# KiCad board PCBA-EN16.kicad_pcb (continued)
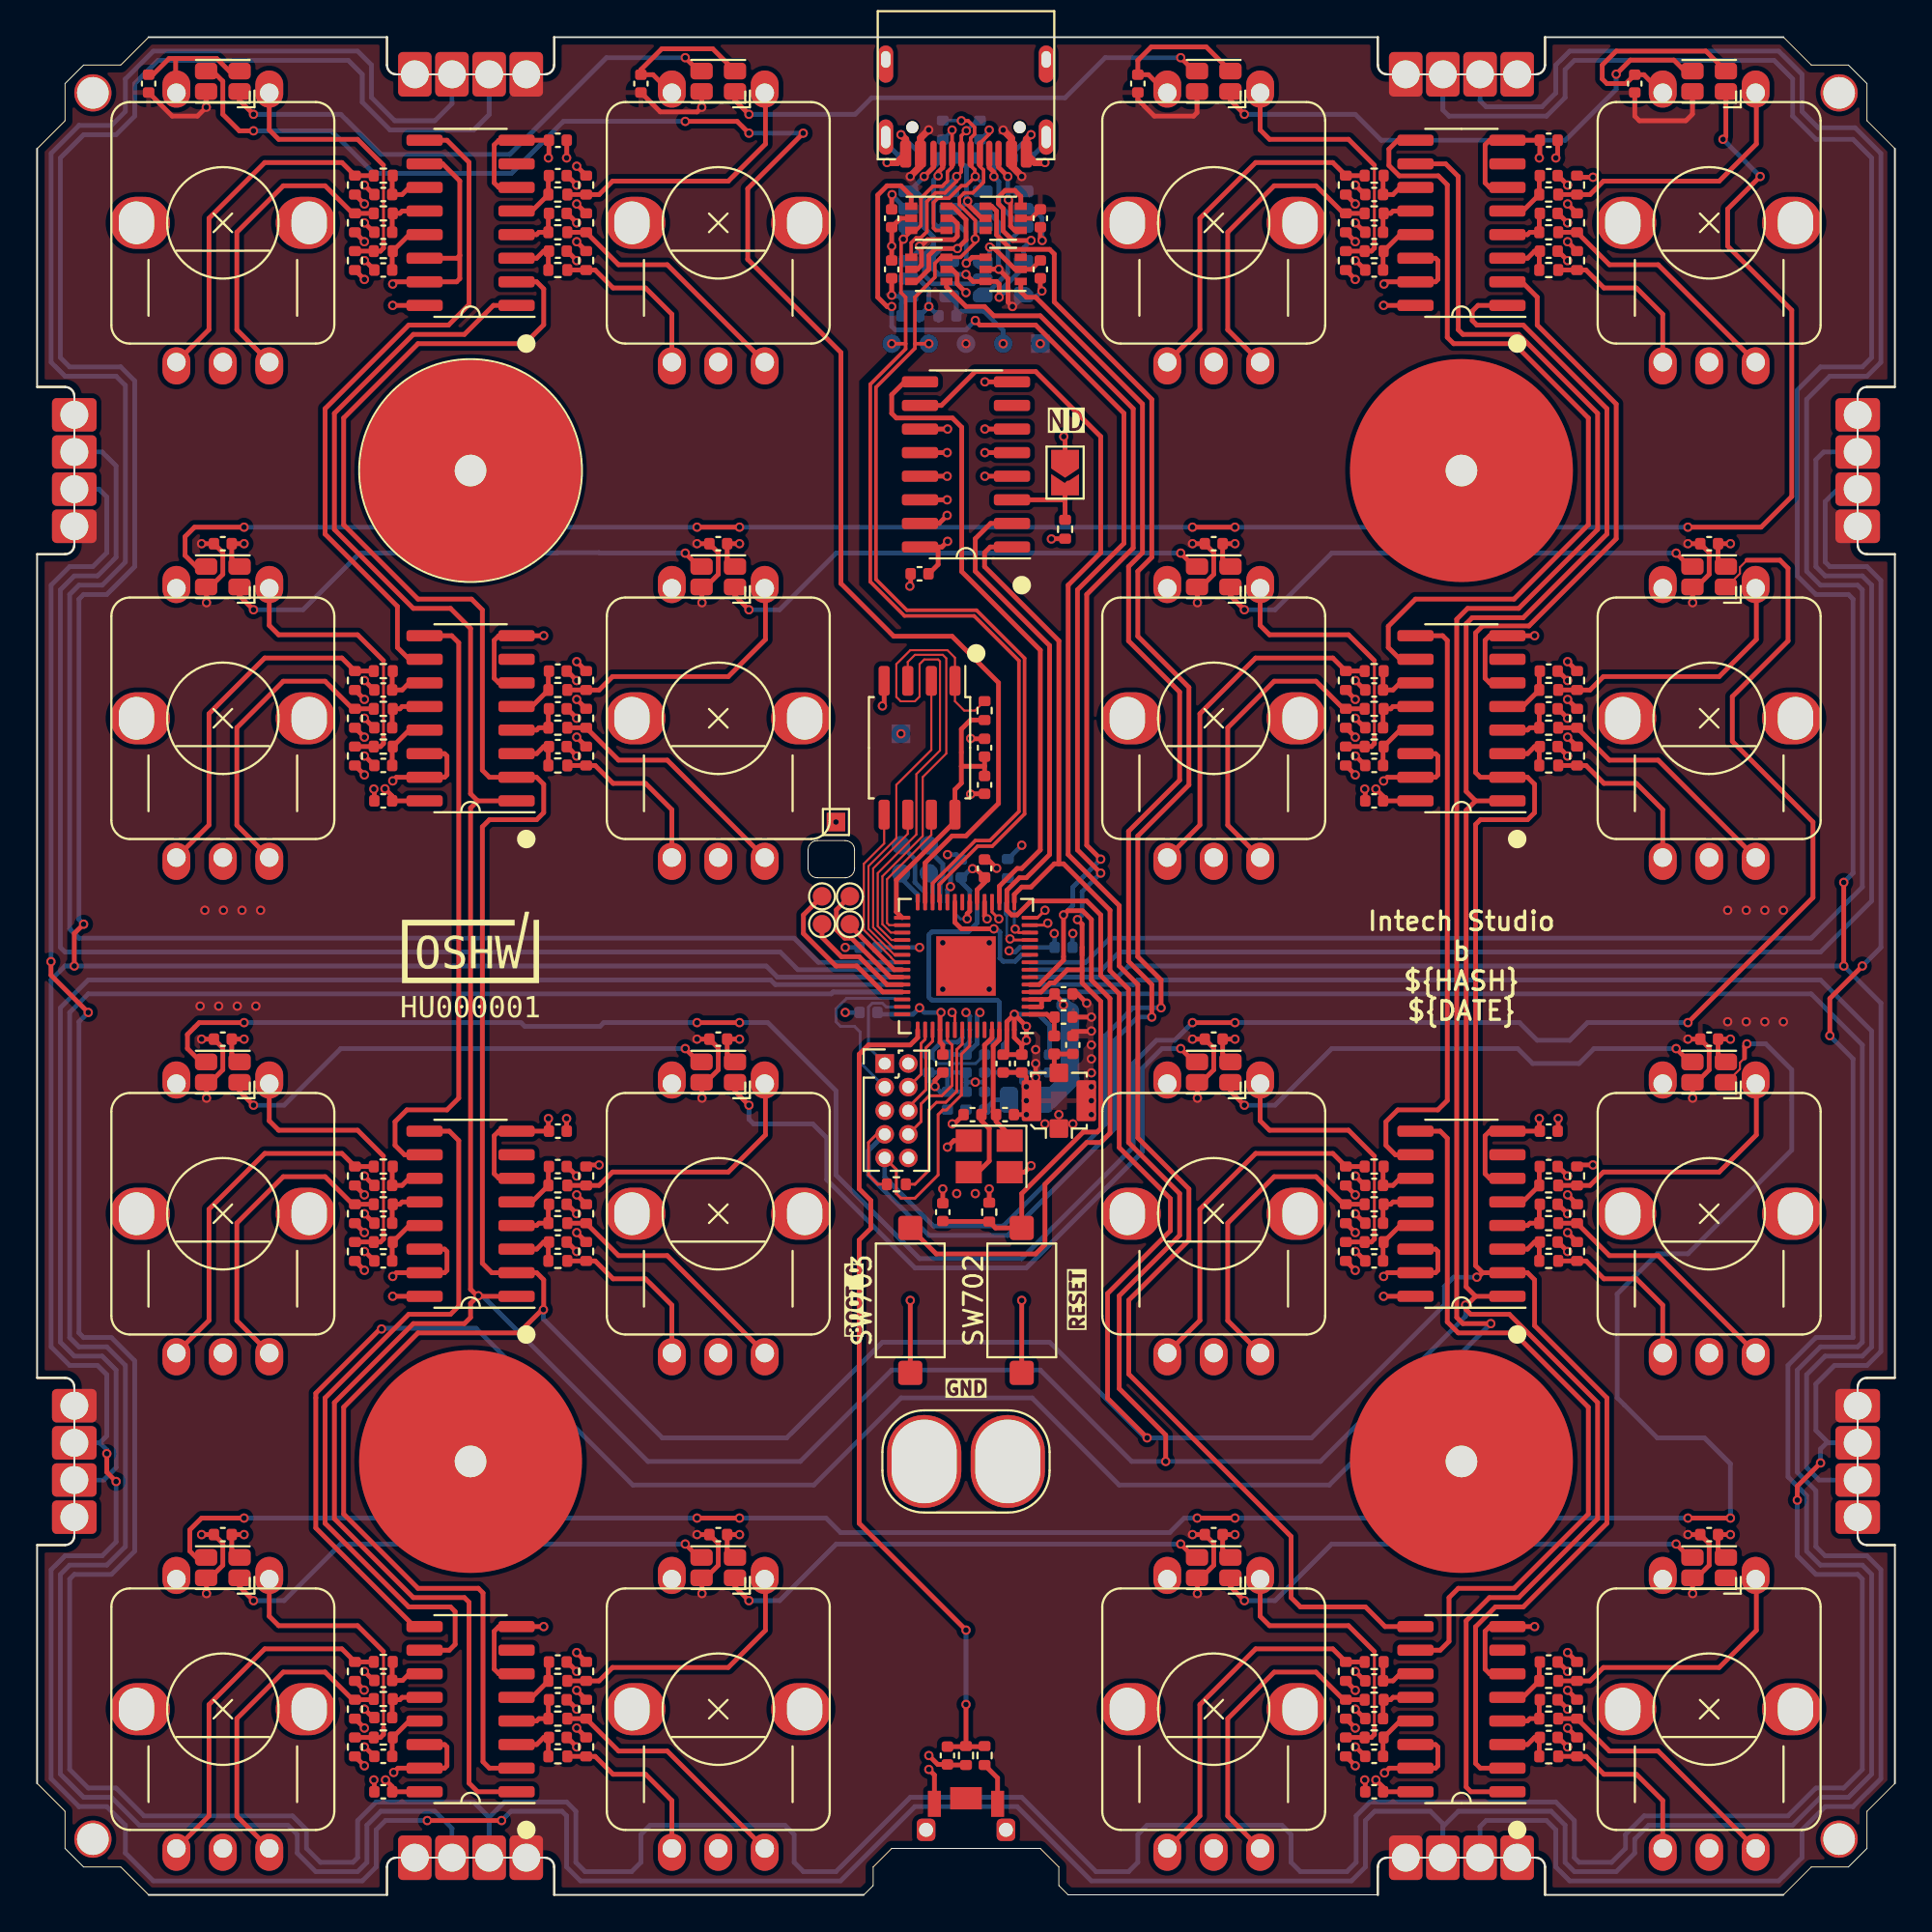
[diagram p0: board, top side]
## Routing (per net, layer and track width the routed paths; a pad name or vN(x,y) marks a point on that pad's centre or on a via; arc(x,y) is an arc through that point) (continued)
/MCU/GRID_NORTH_TX: length 119.9
  Bottom w0.254: J502.2 77.67,96.58 78,96.25 81,96.25 81.75,97 81.75,98.5 82.5,99.25 93.75,99.25 95,98 95,96 95.88,95.12 97.86,95.12 99.25,93.74 99.25,82.5 98.5,81.75 96.5,81.75 95.25,80.5 95.25,71.25 96,70.5 98,70.5 98.25,70.25 98.25,54.25 95.5,51.5 57.75,51.5 56.45,50.2 U703.35
/MCU/GRID_SOUTH_RX: length 120.4
  Bottom w0.254: U703.39 58.15,48.6 58.25,48.5 95.5,48.5 98.25,45.75 98.25,29.75 98,29.5 96,29.5 94.75,28.25 94.75,22.75 95.75,21.75 95.75,18.75 96.25,18.25 98.5,18.25 99.25,17.5 99.25,6.25 97.75,4.75 96.25,4.75 95,3.5 95,2 93.75,0.75 82.5,0.75 81.75,1.5 81.75,3.5 81.25,4 78,4 77.67,3.67 J508.3
/MCU/GRID_SOUTH_TX: length 123
  Bottom w0.254: 42.85,48.6 U703.4 42.85,48.6 ; 42.85,48.6 42.75,48.5 2.75,48.5 1.75,47.5 1.75,30 2.25,29.5 3.75,29.5 4.75,28.5 4.75,18.75 3.75,17.75 1.75,17.75 1.25,17.25 1.25,6.5 2.5,5.25 4,5.25 5.5,3.75 13.5,3.75 14,3.25 14,2.25 15,1.25 17.25,1.25 17.75,1.75 17.75,3.75 18.5,4.5 21.41,4.5 22.33,3.58 J507.2
/MCU/GRID_SYNC_1: length 380.4
  Top w0.254: v1(2.75,47.5) 0.74,49.51 v1(0.74,50.24) ; v1(96,23.25) 94.75,22 v1(94.75,21.25) ; v1(97.25,54.5) v1(97.25,50)
  Bottom w0.254: v1(0.74,50.24) 0.75,50.24 0.75,70.5 1.75,71.5 3,71.5 3.75,72.25 3.75,75.25 3.33,75.67 J504.3 ; 96.42,24.33 96.33,24.33 96,24 v1(96,23.25) ; 96.42,24.33 95.75,25 95.75,27.5 96.75,28.5 98.5,28.5 99.25,29.25 99.25,48 v1(97.25,50) 58.75,50 58.15,49.4 U703.37 ; 96.42,24.33 J505.3 ; 24.33,4.17 23.5,5 18.25,5 17.25,4 17.25,2 17,1.75 15.25,1.75 14.5,2.5 14.5,3.5 13.75,4.25 5.75,4.25 4.25,5.75 2.75,5.75 1.75,6.75 1.75,17 2,17.25 4,17.25 5.25,18.5 5.25,28.75 4,30 2.5,30 2.25,30.25 2.25,47 v1(2.75,47.5) ; 24.33,4.17 J507.3 ; 24.33,4.17 25.16,5 28.5,5 29,4.5 29,1.75 29.5,1.25 32,1.25 32.5,1.75 32.5,3.25 33,3.75 40.25,3.75 40.75,3.25 40.75,1.75 41.25,1.25 43,1.25 47,5.25 53,5.25 57,1.25 58.75,1.25 59.25,1.75 59.25,3.25 59.75,3.75 67,3.75 67.5,3.25 67.5,1.75 68,1.25 70.5,1.25 71,1.75 71,4.25 71.75,5 81.75,5 82.75,4 82.75,2 83,1.75 84.75,1.75 85.5,2.5 85.5,3.25 86.5,4.25 94.25,4.25 95.75,5.75 97.25,5.75 98.25,6.75 98.25,17 98,17.25 95.75,17.25 94.75,18.25 v1(94.75,21.25) ; J502.3 75.67,96.08 76,95.75 81.25,95.75 82.25,96.75 82.25,98.25 82.75,98.75 93.5,98.75 94.5,97.75 94.5,95.75 95.75,94.5 97.75,94.5 98.75,93.5 98.75,82.75 98.25,82.25 96,82.25 94.75,81 94.75,71 95.75,70 97.5,70 97.75,69.75 97.75,55 v1(97.25,54.5)
/MCU/GRID_SYNC_2: length 379.3
  Top w0.254: v1(2,50) 2,51.75 v1(2.5,52.25) ; v1(25,4) v1(21,4) ; v1(4.25,22.25) 3.75,22.75 v1(3.75,23.75) ; v1(96.5,46.25) 96.5,48.25 v1(98.25,50)
  Bottom w0.254: v1(2.5,52.25) 2.25,52.5 2.25,69.75 2.5,70 3.75,70 5.25,71.5 5.25,81.5 4.5,82.25 1.75,82.25 1.25,82.75 1.25,93.5 2.5,94.75 4.25,94.75 5.25,95.75 5.25,97.5 6.5,98.75 16.75,98.75 17.5,98 17.5,96.5 19,95 23.5,95 24.33,95.83 J501.2 ; 3.37,24.33 3.75,24.71 3.75,28 3.25,28.5 1.75,28.5 0.75,29.5 0.75,49.25 1.5,50 v1(2,50) 39.25,50 39.85,49.4 U703.6 ; 3.37,24.33 3.75,23.95 v1(3.75,23.75) ; 3.37,24.33 J506.2 ; J503.2 96.92,75.67 96.25,75 96.25,71.75 96.5,71.5 98.5,71.5 99.25,70.75 99.25,51 v1(98.25,50) ; v1(96.5,46.25) 97.75,45 97.75,30 95.75,30 94.25,28.5 94.25,22.5 95.25,21.5 95.25,18.5 96,17.75 98.25,17.75 98.75,17.25 98.75,6.5 97.5,5.25 96,5.25 94.5,3.75 86.75,3.75 86,3 86,2.25 85,1.25 82.75,1.25 82.25,1.75 82.25,3.75 81.5,4.5 76.5,4.5 75.67,3.67 J508.2 75.67,3.83 75,4.5 72,4.5 71.5,4 71.5,1.5 70.75,0.75 56.75,0.75 52.75,4.75 47.25,4.75 43.25,0.75 29.25,0.75 28.5,1.5 28.5,4.25 28.25,4.5 25.5,4.5 v1(25,4) ; v1(21,4) 18.75,4 18.25,3.5 18.25,1.5 17.5,0.75 6.25,0.75 4.75,2.25 4.75,3.75 3.75,4.75 2.25,4.75 0.75,6.25 0.75,17.5 1.5,18.25 3.5,18.25 4.25,19 v1(4.25,22.25)
/MCU/GRID_WEST_RX: length 75.4
  Bottom w0.254: U703.5 39.74,49 39.49,49.25 2.75,49.25 1.25,47.75 1.25,29.75 2,29 3.5,29 4.25,28.25 4.25,23 3.58,22.33 J506.3
/MCU/GRID_WEST_TX: length 76.3
  Bottom w0.254: U703.7 40.95,49.8 40,50.75 1.5,50.75 1.25,51 1.25,70.25 2,71 3.25,71 4.25,72 4.25,76.92 3.5,77.67 J504.2
/MCU/LED_DATA_OUT: length 89
  Top w0.254: v1(41.24,94.83) 38.25,91.84 38.25,88.04 43.27,83.02 43.27,70.59 46.11,67.75 49.25,67.75 51.75,65.25 51.75,58.75 50,57 49.25,57 47.8,55.55 U704.27 ; v1(38.32,94.83) 37.68,95.47 v1(34.89,95.47) ; v1(11.65,94.96) 10.88,94.96 9.99,95.85 9.99,97.62 9.45,98.17 D901.3
  Bottom w0.254: v1(11.65,94.96) 15.84,94.96 18.12,92.67 25.53,92.67 28.33,95.47 v1(34.89,95.47) ; v1(38.32,94.83) v1(41.24,94.83)
/MCU/MAP_MODE: length 46.1
  Top w0.254: C757.1 50.97,7.98 R736.2 ; R701.2 v1(50,10.25) ; v1(50,14.25) 44.25,20 44.25,35.25 44.88,35.88 44.88,37.38 44.25,38 44.25,45.25 44.75,45.75 47,45.75 47.4,46.15 U704.43
  Bottom w0.254: v1(50,10.25) v1(50,14.25)
/MCU/RP_CLK: length 2.3
  Top w0.254: U704.21 50.2,52.95 50.06,52.81 v1(50.06,52.54)
  Bottom w0.152: U703.20 49.4,52.83 49.69,52.54 v1(50.06,52.54)
/MCU/RP_INTERRUPT: length 7
  Top w0.254: U704.23 49.4,52.35 49.75,52 v1(51.5,52)
  Bottom w0.254: U703.34 53,50.6 52.65,50.25 52,50.25 51.83,50.42 51.83,51.83 51.65,52 v1(51.5,52)
/MCU/RP_RUN: length 1.5
  Bottom w0.254: U703.26 51.8,54.29 R729.2
/MCU/RP_SPI0_CS: length 2.3
  Top w0.152: U704.12 52.84,51.8 v1(52.65,51.99)
  Bottom w0.152: v1(52.65,51.99) 52.6,52.04 U703.28
/MCU/RP_SPI0_RX: length 3.2
  Top w0.152: v1(52.37,51.46) 52.43,51.4 U704.11
  Bottom w0.152: U703.27 52.12,53.35 52.12,52.79 52.19,52.71 52.19,51.63 v1(52.37,51.46)
/MCU/RP_SPI0_SCK: length 2
  Top w0.152: v1(54.25,53) 53.85,52.6 U704.14
  Bottom w0.152: U704.14 53.85,52.6 v1(54.25,53)
/MCU/RP_SPI0_TX: length 2
  Top w0.152: U704.13 54.29,52.2 v1(54.4,52.31)
  Bottom w0.152: v1(54.4,52.31) 54.29,52.2 U704.13
/MCU/RP_SWCLK: length 1.9
  Top w0.254: U704.19 51,52.67 v1(51.14,52.54)
  Bottom w0.254: U704.19 51,52.67 v1(51.14,52.54)
/MCU/RP_SWDIO: length 1.7
  Top w0.152: v1(51.77,52.54) 51.4,52.9 51.4,53.07
  Bottom w0.152: U704.18 51.4,52.9 v1(51.77,52.54)
/MCU/RP_UART0_RX: length 9.6
  Bottom w0.152: J702.3 44.3,44.8 44.3,46.45 44,46.75 43.25,46.75 43,47 43,47.69 43.57,48.26 46.13,48.26 46.19,48.2 U703.3
/MCU/RP_UART0_TX: length 5.4
  Bottom w0.152: J702.1 44.75,45.62 44.75,47.79 44.95,48 45.51,48 45.7,47.8 U703.2
/MCU/SPICLK: length 8.9
  Top w0.11: U704.33 46.08,51 45,52.08 45,55.25 46.86,57.11 U705.6
/MCU/SPICS0: length 31.5
  Top w0.11: U704.32 45.99,51.4 45.25,52.14 45.25,55 47.33,57.08 47.33,60.33 48.6,61.6 48.6,66.4 48.5,66.5 47.75,66.5 47.5,66.25 47.5,64.5 47.25,64.25 46.48,64.25 46.25,64.48 46.25,66.25 47,67 49,67 49.41,66.59 U705.1 49.41,64.25 49.91,63.75 50.49,63.75 R734.2
/MCU/SPID: length 9.5
  Top w0.11: U704.35 46.22,50.2 45.96,50.46 45.96,50.48 44.5,51.94 44.5,55.5 45.59,56.59 U705.5
/MCU/SPIHD: length 7.7
  Top w0.11: U705.7 48.14,57.06 45.75,54.67 45.75,52.31 45.86,52.2 U704.30
/MCU/SPIQ: length 17.2
  Top w0.11: 48.22,65.35 48.14,65.27 48.14,61.64 46.25,59.75 46.25,56.88 44.75,55.38 44.75,52 46.15,50.6 U704.34
/MCU/SPIWP: length 20.3
  Top w0.11: U704.31 45.95,51.8 45.5,52.25 45.5,54.83 47.67,57 47.67,60.17 48.94,61.44 48.94,66.56 48.75,66.75 47.25,66.75 46.86,66.36 U705.3
/MCU/TCK: length 3.5
  Top w0.152: J702.4 47.58,44.17 47.58,45.83 47.8,46.05 U704.44
/MCU/TDI: length 7.1
  Top w0.152: U704.47 49,46 49.25,45.75 49.25,43.56 48.7,43.01 48.01,43.01 47.58,42.58 47.58,41.63 J702.8
/MCU/TDO: length 4.9
  Top w0.152: J702.6 46.89,42.39 47.84,43.34 47.84,45.59 48.2,45.95 U704.45
/MCU/TMS: length 5.2
  Top w0.152: v1(49.25,47.5) 49.4,47.35 U704.48
  In2.Cu w0.152: J702.2 47.75,44.75 49.25,46.25 v1(49.25,47.5)
/MCU/U0RXD: length 89.7
  Top w0.152: J702.9 46.25,39.05 46.25,37.75 46.5,37.5 47.25,37.5 48.5,38.75 48.5,42 48.75,42.25 48.95,42.25 49.75,43.06 49.75,45.25 50.2,45.7 U704.50
  Top w0.254: U606.1 51.38,90.9 51.65,90.63 51.65,89.35 52.42,88.58 54.5,88.58 54.75,88.33 54.75,85.75 60,80.5 60,72 59.25,71.25 59.25,67.75 62,65 62,59.75 59.25,57 59.25,50.5 60.5,49.25 v1(60.5,47.75)
  Bottom w0.254: J702.9 45.62,38.62 48.25,36 52,36 57.5,41.5 57.5,46.25 59,47.75 v1(60.5,47.75)
/MCU/U0TXD: length 76.6
  Top w0.152: J702.7 45.19,40.94 44.75,40.5 44.75,38.75 45.25,38.25 R501.1 ; 52.83,86.85 U605.1
  Top w0.254: U605.1 52.95,86.3 53.25,86 53.75,86 59.5,80.25 59.5,72.25 58.75,71.5 58.75,67.5 61.5,64.75 61.5,60 58.75,57.25 58.75,50.25 60,49 v1(60,47.25)
  Bottom w0.254: J702.7 44.75,40.06 44.75,38.75 48,35.5 52.25,35.5 58,41.25 58,46 59.25,47.25 v1(60,47.25)
/MCU/USB_DN: length 56.1
  Top w0.192: U704.25 48.55,53.48 48.55,54.38 50.62,56.45 51.41,56.45 53.15,58.19 53.15,66.56 50.56,69.15 46.81,69.15 45.15,70.81 45.15,81.15 47.25,83.25 47.25,83.5 ; 47.25,83.5 v1(48,83.5) ; 47.25,83.5 47.25,86 48.32,87.07 48.32,87.82 48.65,88.15 U607.3 49.7,88.15 50.5,88.95 50.5,90.13 49.64,90.99 49.64,91.36 49.91,91.62 50.37,91.62 50.95,92.2 50.95,92.84 50.75,93.04 J601.B7 50.75,94.28 51.25,94.78 v1(51.25,95)
  Bottom w0.192: v1(51.25,95) 51.25,94.99 R604.1 ; v1(50.49,89.14) 50.49,89.48 50.81,89.8 U602.4
/MCU/USB_DP: length 54.2
  Top w0.192: 46.75,83.5 46.75,83.22 44.85,81.31 44.85,70.69 46.69,68.85 50.44,68.85 52.85,66.44 52.85,58.31 51.28,56.75 50.5,56.75 48.2,54.45 U704.26 ; 46.75,83.5 v1(46,83.5) ; 46.75,83.5 46.75,86 46.5,86.25 46.5,86.73 46.51,86.74 46.51,89.01 v1(46.62,89.12) 47.05,89.55 U608.3 47.32,89.6 47.57,89.85 47.57,91.33 48.21,91.97 48.72,91.97 49,92.25 49,92.75 49.25,93 J601.B6 v1(49.25,95)
  Bottom w0.192: v1(46.62,89.12) 46.62,89.53 U603.4 ; v1(49.25,95) 49.25,94.99 R605.1
/MCU/USB_POWER/A6: length 10.6
  Top w0.192: v1(49.75,95.5) 50.11,95.5 50.46,95.15 50.46,94.78 50.25,94.56 J601.A6 50.25,93.08 50.48,92.85 50.48,92.52 v1(50.5,92.5) 50,92 49.75,92 49.08,91.33 48.48,91.33 48.25,91.1 48.25,89.72 48.37,89.6 U608.4
  Bottom w0.192: R605.2 49.74,95.51 v1(49.75,95.5) ; v1(50.5,92.5) 50.9,92.1 U602.6
/MCU/USB_POWER/A7: length 10.4
  Top w0.192: v1(50.02,94.96) 49.75,94.7 J601.A7 49.75,92.75 v1(49.5,92.5) 49.5,92.25 48.87,91.62 48.36,91.62 47.89,91.15 47.89,89.53 47.56,89.2 47.32,89.2 47.05,88.93 U607.4
  Bottom w0.192: R604.2 50.56,95.51 v1(50.02,94.96)
  Bottom w0.254: v1(49.5,92.5) 49.1,92.1 U603.1
/MCU/USB_POWER/CC1: length 10.5
  Top w0.254: v1(51.5,92.5) 51.5,92.73 51.25,92.98 J601.A5
  Bottom w0.254: U604.1 50.98,86.05 52.25,87.32 52.25,88.95 U602.3 52.96,89.8 51.77,90.99 51.77,92.23 v1(51.5,92.5) 51.51,92.51 R602.1
/MCU/USB_POWER/CC2: length 12.9
  Top w0.254: J601.B5 48.25,93 v1(47.75,92.5)
  Bottom w0.254: R603.1 48.49,93.24 v1(47.75,92.5) 46.95,91.7 U603.6 47.3,91.7 47.75,91.25 47.75,89.75 48.25,89.25 48.25,88.8 47.75,88.3 47.75,87.18 48.2,86.73 50.39,86.73 50.66,87 U604.2
/MCU/USB_POWER/DEBUG: length 23.1
  Top w0.254: U607.6 47.35,86.85 48,87.5 48,88.25 48.37,88.62 v1(49.54,88.62) 50,89.08 50,90.18 49.28,90.9 U608.6 ; U606.6 52.95,91.43 52.63,91.75 52.11,91.75 51.75,91.39 51.75,91.03 52,90.78 52,89.57 52.52,89.05 v1(53.5,89.05) ; v1(51.78,86) 51.78,86.72 51.65,86.85 U605.6 50.38,86.85 v1(50,87.23)
  Bottom w0.152: 53,88.05 U604.4
  Bottom w0.254: v1(53.5,89.05) 53.1,88.65 U604.4 53.1,87.6 52,86.5 52,86.22 v1(51.78,86) ; v1(49.54,88.62) 48.66,88.62 48.25,88.21 48.25,87.5 48.52,87.23 v1(50,87.23)
/MCU/USB_POWER/SBU1: length 8.7
  Top w0.254: U605.4 50.33,88.15 v1(50.02,87.83) ; v1(48.5,92.54) 48.5,92.73 48.75,92.98 J601.A8
  Bottom w0.254: v1(50.02,87.83) 50.02,88.42 50.02,88.42 50.02,89.48 49.7,89.8 U603.3 48.45,89.8 48.25,90 48.25,92.29 v1(48.5,92.54)
/MCU/USB_POWER/SBU2: length 6.1
  Top w0.254: v1(52.28,91.25) 52.4,91.13 52.4,89.82 52.62,89.6 U606.4 ; J601.B8 51.75,93 v1(52.25,92.5)
  Bottom w0.254: v1(52.25,92.5) 52.25,91.28 v1(52.28,91.25) 52.28,91.68 52.3,91.7 U602.1
/UI_ENC/CLOCK: length 344.6
  Top w0.254: U1004.2 24.35,6.82 24,7.17 24,16.25 23.75,16.5 20.5,16.5 16.5,20.5 16.5,26.25 20.5,30.25 25.93,30.25 27.27,31.58 27.27,33.11 26.89,33.49 U1003.2 24.47,33.49 23.97,34 23.97,57.49 24.35,57.87 26.89,57.87 27.27,58.25 27.27,59.78 26.89,60.16 U1002.2 24.35,60.16 23.97,60.54 23.97,69.17 23.38,69.75 20.5,69.75 16.5,73.75 16.5,79.5 20.5,83.5 26.25,83.5 27.27,84.52 27.27,86.45 26.89,86.83 U1001.2 ; 77.81,33.49 80.23,33.49 80.61,33.11 80.61,30.64 84.5,26.75 84.5,20 80,15.5 78.5,15.5 77.43,14.43 77.43,7.07 77.69,6.82 U1008.2 ; 77.81,33.49 77.58,33.25 v1(77.5,33.25) ; 77.81,33.49 77.43,33.87 77.43,57.62 77.69,57.87 80.23,57.87 80.61,58.25 80.61,59.78 80.23,60.16 U1006.2 77.69,60.16 77.43,60.41 77.43,67.93 77.81,68.31 80.31,68.31 85,73 85,80.25 80.75,84.5 80.75,86 79.92,86.83 U1005.2 ; v1(59.75,24.6) 57.62,26.73 57.62,32.37 61,35.75 61,37.48 58.25,40.23 58.25,48.5 57.25,49.5 57.25,52.75 56.5,53.5 53.5,53.5 52.75,52.75 52.46,52.75 52.2,53.01 U704.16 52.2,54.08 52.87,54.75 53.25,54.75 54.5,56 54.5,67.25 50.5,71.25 50.5,73 51.33,73.83 U801.2
  Bottom w0.254: v1(27.25,31.5) 27.25,31 33.65,24.6 40.35,24.6 45.5,29.75 54.5,29.75 59.65,24.6 v1(59.75,24.6) 68.6,24.6 75.75,31.75 75.75,32.75 76.25,33.25 v1(77.5,33.25)
/UI_ENC/DATA: length 90.1
  Top w0.254: U1008.9 72.56,14.44 71.5,15.5 68,15.5 67.5,16 67.5,19.29 58.76,28.03 58.76,32.01 62,35.25 62,38 59.25,40.75 59.25,49 58.25,50 58.25,53.25 55.5,56 55.5,70.5 57.25,72.25 57.25,78.5 53.75,82 50.5,82 48.67,80.17 U801.10
/UI_ENC/ENCODER_0/A: length 2.9
  Top w0.254: R1030.1 19.11,92.52 C1015.1 19.65,91.53 20.03,91.91 U1001.11
/UI_ENC/ENCODER_0/B: length 2.8
  Top w0.254: C1014.1 19.11,90.48 R1029.1 19.52,90.51 19.65,90.64 U1001.12
/UI_ENC/ENCODER_0/C: length 3.1
  Top w0.254: U1001.13 20.03,89.37 R1025.2 19.11,88.45 C1013.1
/UI_ENC/ENCODER_1/A: length 2.9
  Top w0.254: 27.52,87.47 27.52,88.45 C1032.1 27.27,88.48 26.89,88.1 U1001.3
/UI_ENC/ENCODER_1/B: length 2.8
  Top w0.254: C1031.1 27.52,90.48 27.52,89.5 27.01,89.5 26.89,89.37 U1001.4
/UI_ENC/ENCODER_1/C: length 3.1
  Top w0.254: C1030.1 27.52,92.52 27.52,91.53 26.63,90.64 U1001.5
/UI_ENC/ENCODER_2/A: length 2.9
  Top w0.254: U1005.11 73.37,91.91 72.99,91.53 C1050.1 72.45,92.52 72.48,92.55
/UI_ENC/ENCODER_2/B: length 2.8
  Top w0.254: U1005.12 72.99,90.64 72.86,90.51 72.48,90.51 72.45,90.48 C1049.1
/UI_ENC/ENCODER_2/C: length 3.1
  Top w0.254: C1048.1 72.45,88.45 73.37,89.37 U1005.13
/UI_ENC/ENCODER_3/A: length 2.9
  Top w0.254: R1042.1 80.86,88.45 C1029.1 80.61,88.48 80.23,88.1 U1005.3
/UI_ENC/ENCODER_3/B: length 2.8
  Top w0.254: C1028.1 80.86,90.48 R1041.1 80.35,89.5 80.23,89.37 U1005.4
/UI_ENC/ENCODER_3/C: length 3.1
  Top w0.254: C1027.1 80.86,92.52 R1037.2 79.97,90.64 U1005.5
/UI_ENC/ENCODER_4/A: length 2.9
  Top w0.254: R1090.1 19.11,65.84 C1053.1 19.65,64.86 20.03,65.24 U1002.11
/UI_ENC/ENCODER_4/B: length 2.8
  Top w0.254: U1002.12 19.65,63.97 19.52,63.84 R1089.1 19.11,63.81 C1052.1
/UI_ENC/ENCODER_4/C: length 3.1
  Top w0.254: C1051.1 19.11,61.78 R1085.2 20.03,62.7 U1002.13
/UI_ENC/ENCODER_5/A: length 2.9
  Top w0.254: 27.52,60.8 27.52,61.78 C1009.1 27.27,61.81 26.89,61.43 U1002.3
/UI_ENC/ENCODER_5/B: length 2.8
  Top w0.254: C1008.1 27.52,63.81 27.52,62.83 27.01,62.83 26.89,62.7 U1002.4
/UI_ENC/ENCODER_5/C: length 3.1
  Top w0.254: U1002.5 26.63,63.97 27.52,64.86 27.52,65.84 C1007.1
/UI_ENC/ENCODER_6/A: length 2.9
  Top w0.254: U1006.11 73.37,65.24 72.99,64.86 C1018.1 72.45,65.84 72.48,65.88
/UI_ENC/ENCODER_6/B: length 2.8
  Top w0.254: C1017.1 72.45,63.81 72.48,63.84 72.86,63.84 72.99,63.97 U1006.12
/UI_ENC/ENCODER_6/C: length 3.1
  Top w0.254: C1016.1 72.45,61.78 73.37,62.7 U1006.13
/UI_ENC/ENCODER_7/A: length 2.9
  Top w0.254: R1054.1 80.86,61.78 C1035.1 80.61,61.81 80.23,61.43 U1006.3
/UI_ENC/ENCODER_7/B: length 2.8
  Top w0.254: U1006.4 80.23,62.7 80.35,62.83 R1053.1 80.86,63.81 C1034.1
/UI_ENC/ENCODER_7/C: length 3.1
  Top w0.254: C1033.1 80.86,65.84 R1049.2 79.97,63.97 U1006.5
/UI_ENC/ENCODER_8/A: length 2.9
  Top w0.254: R1006.1 19.11,39.17 C1003.1 19.65,38.19 20.03,38.57 20.86,38.57
/UI_ENC/ENCODER_8/B: length 2.8
  Top w0.254: 20.86,37.3 19.65,37.3 19.52,37.17 R1005.1 19.11,37.14 C1002.1
/UI_ENC/ENCODER_8/C: length 3.1
  Top w0.254: 20.86,36.03 20.03,36.03 R1001.2 19.11,35.11 C1001.1
/UI_ENC/ENCODER_9/A: length 2.9
  Top w0.254: 27.52,34.12 27.52,35.11 C1056.1 27.27,35.14 26.89,34.76 25.81,34.76
/UI_ENC/ENCODER_9/B: length 2.8
  Top w0.254: C1055.1 27.52,37.14 27.52,36.16 27.01,36.16 26.89,36.03 25.81,36.03
/UI_ENC/ENCODER_9/C: length 3.1
  Top w0.254: 25.81,37.3 26.63,37.3 27.52,38.19 27.52,39.17 C1054.1
/UI_ENC/ENCODER_10/A: length 2.9
  Top w0.254: 72.48,39.2 72.45,39.17 C1044.1 72.99,38.19 73.37,38.57 U1007.11
/UI_ENC/ENCODER_10/B: length 2.8
  Top w0.254: C1043.1 72.45,37.14 72.48,37.17 72.86,37.17 72.99,37.3 U1007.12
/UI_ENC/ENCODER_10/C: length 3.1
  Top w0.254: C1042.1 72.45,35.11 73.37,36.03 U1007.13
/UI_ENC/ENCODER_11/A: length 2.9
  Top w0.254: U1007.3 80.23,34.76 80.61,35.14 C1006.1 80.86,35.11 R1012.1
/UI_ENC/ENCODER_11/B: length 2.8
  Top w0.254: U1007.4 80.23,36.03 80.35,36.16 R1011.1 80.86,37.14 C1005.1
/UI_ENC/ENCODER_11/C: length 3.1
  Top w0.254: C1004.1 80.86,39.17 R1007.2 79.97,37.3 U1007.5
/UI_ENC/ENCODER_12/A: length 2.9
  Top w0.254: R1024.1 19.11,12.51 C1012.1 19.67,11.54 20.03,11.9 U1004.11
/UI_ENC/ENCODER_12/B: length 2.8
  Top w0.254: 19.11,9.49 19.11,10.47 19.14,10.5 19.52,10.5 19.65,10.63 U1004.12
/UI_ENC/ENCODER_12/C: length 3.1
  Top w0.254: C1010.1 19.11,8.44 R1019.2 20.03,9.36 U1004.13
/UI_ENC/ENCODER_13/A: length 2.9
  Top w0.254: 27.52,7.46 27.52,8.44 C1041.1 27.27,8.47 26.89,8.09 U1004.3
/UI_ENC/ENCODER_13/B: length 2.8
  Top w0.254: C1040.1 27.52,10.47 27.52,9.49 27.01,9.49 26.89,9.36 U1004.4
/UI_ENC/ENCODER_13/C: length 3.1
  Top w0.254: C1039.1 27.52,12.5 27.52,11.52 26.63,10.63 U1004.5
/UI_ENC/ENCODER_14/A: length 2.9
  Top w0.254: U1008.11 73.37,11.9 72.99,11.52 C1038.1 72.45,12.5 72.48,12.53
/UI_ENC/ENCODER_14/B: length 2.8
  Top w0.254: U1008.12 72.99,10.63 72.86,10.5 72.48,10.5 72.45,10.47 C1037.1
/UI_ENC/ENCODER_14/C: length 3.1
  Top w0.254: C1036.1 72.45,8.44 73.37,9.36 U1008.13
/UI_ENC/ENCODER_15/A: length 2.9
  Top w0.254: R1078.1 80.86,8.44 C1047.1 80.61,8.47 80.23,8.09 U1008.3
/UI_ENC/ENCODER_15/B: length 2.8
  Top w0.254: U1008.4 80.23,9.36 80.35,9.49 R1077.1 80.86,10.47 C1046.1
/UI_ENC/ENCODER_15/C: length 3.1
  Top w0.254: U1008.5 79.97,10.63 R1073.2 80.86,12.5 C1045.1
/UI_ENC/SHIFT: length 338
  Top w0.254: v1(60.75,23.33) 60.75,24.75 58.25,27.25 58.25,32.25 61.5,35.5 61.5,37.75 58.75,40.5 58.75,48.75 57.75,49.75 57.75,53 55.25,55.5 55,55.5 ; U1001.1 24.56,85.56 23,84 20.25,84 16,79.75 16,73.5 20.25,69.25 22.25,69.25 23.33,68.17 23.33,59.27 23.71,58.89 ; 23.71,32.22 U1003.1 ; 23.71,32.22 23.33,32.6 23.33,58.51 23.71,58.89 ; 23.71,32.22 23.33,31.84 23.33,31.08 23,30.75 20.25,30.75 16,26.5 16,20.25 20.25,16 23,16 23.25,15.75 23.25,6.01 23.71,5.55 U1004.1 ; U704.15 52.6,53.85 53,54.25 53.5,54.25 54.75,55.5 55,55.5 ; 76.92,31.71 76.92,31.5 77.17,31.25 79.25,31.25 84,26.5 84,20.25 79.75,16 78.17,16 76.92,14.75 76.92,5.8 77.18,5.55 U1008.1 ; 76.92,31.71 77,31.79 ; 76.92,31.71 77.43,32.22 ; 55,55.5 55,67.5 51,71.5 51,72.25 51.31,72.56 U801.1 ; 77.43,32.22 79.15,32.22 ; 77.43,32.22 76.92,32.73 76.92,58.38 77.43,58.89 ; 23.71,58.89 U1002.1 ; U1005.1 77.56,85.56 77.25,85.25 77.25,84.75 77.5,84.5 80,84.5 84.5,80 84.5,73.25 80,68.75 77.25,68.75 76.92,68.42 76.92,59.4 77.43,58.89 ; 77.43,58.89 U1006.1
  Bottom w0.254: v1(76.89,31.75) 76.89,31.14 69.08,23.33 58.92,23.33 54,28.25 46,28.25 41.08,23.33 32.88,23.33 23.96,32.25 v1(23.75,32.25)
ESP_GPIO_33: length 6.1
  Top w0.254: U704.38 45.75,49 44.25,50.5 43.29,50.5 42.25,51.54 TP709.1
ESP_GPIO_34: length 9
  Top w0.254: TP708.1 41.25,52.75 41.25,51.75 43,50 44.12,50 45.53,48.6 U704.39
ESP_GPIO_47: length 6.7
  Top w0.254: TP706.1 43.02,53.02 43.02,51.95 43.47,51.5 43.84,51.5 45.94,49.4 U704.37
ESP_GPIO_48: length 3.9
  Top w0.254: TP707.1 43.75,52.18 46.13,49.8 U704.36
Net-(C601-Pad1): length 1.5
  Bottom w0.254: J601.S1 54.32,94.34 C601.1
Net-(C749-Pad1): length 9.2
  Top w0.254: 54.07,48.2 54.47,48.2 C749.1 54.77,48.48 55.25,48 ; 54.07,48.2 U704.3 ; 54.07,48.2 54.07,47.8 U704.2
  Bottom w0.8: v1(55.25,47.9) 55.6,47.55
  Bottom w1: L702.1 54.5,42.8 55.6,43.9 55.6,47.55
Net-(D901-DOUT): length 29
  Top w0.254: 10.9,97.08 10.9,96.6 v1(11.65,95.85) ; v1(34.89,98.9) 35.61,98.17 D905.3
  Bottom w0.254: v1(11.65,95.85) 16.34,95.85 18.5,93.69 25.44,93.69 30.64,98.9 v1(34.89,98.9)
Net-(D902-DIN): length 114.6
  Top w0.254: v1(90.75,94.5) 90.91,94.66 D913.1 ; v1(88.86,73.62) 92.8,73.62 94.45,75.27 94.45,85.3 91,88.75 91,90.75 v1(92.75,92.5) ; v1(62.19,73.62) v1(64.48,73.62) ; D902.3 8.56,71.5 7.96,72.1 7.96,73.11 8.47,73.62 v1(11.14,73.62) ; v1(35.52,73.62) v1(37.81,73.62)
  Bottom w0.254: v1(64.48,73.62) v1(88.86,73.62) ; v1(35.52,73.62) v1(11.14,73.62) ; v1(37.81,73.62) v1(62.19,73.62) ; v1(92.75,92.5) v1(90.75,94.5)
Net-(D902-DOUT): length 27.2
  Top w0.254: v1(34.89,72.22) 35.61,71.5 D906.3 ; v1(11.65,69.18) 10.9,69.93 10.9,70.41
  Bottom w0.254: v1(34.89,72.22) 30.28,72.22 30.25,72.25 28,72.25 27.97,72.22 17.36,72.22 14.31,69.18 v1(11.65,69.18)
Net-(D903-DIN): length 134.5
  Top w0.11: 92.04,71.84 91.66,71.47 91.66,71.12 90.94,70.41 D914.1
  Top w0.254: v1(62.19,46.95) v1(64.48,46.95) ; v1(88.86,46.95) 95.59,53.68 95.59,57.75 91.25,62.09 91.25,64.5 94.25,67.5 94.25,71.41 93.81,71.84 92.04,71.84 ; D903.3 8.81,44.83 8.09,45.56 8.09,46.32 8.73,46.95 v1(11.14,46.95) ; v1(35.52,46.95) v1(37.81,46.95)
  Bottom w0.254: v1(88.86,46.95) 83.45,46.95 82.5,46 80.75,46 79.8,46.95 v1(64.48,46.95) ; v1(37.81,46.95) 39.33,46.95 43,43.28 43,38.75 47.5,34.25 53,34.25 59,40.25 59,44.75 60.25,46 61.24,46 v1(62.19,46.95) ; v1(35.52,46.95) 30.5,46.95 30.3,46.75 26.25,46.75 26.05,46.95 v1(11.14,46.95)
Net-(D903-DOUT): length 27.2
  Top w0.254: v1(11.65,42.51) 10.9,43.26 10.9,43.73 ; v1(34.89,45.56) 35.61,44.83 D907.3
  Bottom w0.254: v1(11.65,42.51) 13.3,42.51 16.34,45.56 v1(34.89,45.56)
Net-(D904-DIN): length 124.6
  Top w0.11: D915.1 90.94,43.73 91.66,44.45 91.66,44.8 91.91,45.05
  Top w0.254: v1(92.04,45.81) 91.91,45.68 91.91,45.05 ; 9.09,18.16 8.56,18.16 8.22,18.5 8.22,19.65 8.85,20.28 v1(11.14,20.28) ; v1(37.81,20.28) v1(35.52,20.28) ; v1(62.45,20.28) v1(64.48,20.28) ; v1(88.86,20.28) v1(91.15,20.28)
  Bottom w0.254: v1(37.81,20.28) 42.47,20.28 43.25,19.5 60.97,19.5 61.75,20.28 v1(62.45,20.28) ; v1(64.48,20.28) v1(88.86,20.28) ; v1(11.14,20.28) v1(35.52,20.28) ; v1(91.15,20.28) 91.15,23.2 89.75,24.6 87.21,24.6 85.05,26.76 85.05,32.35 87.21,34.51 88.86,34.51 94.45,40.09 94.45,44.41 93.05,45.81 v1(92.04,45.81)
Net-(D904-DOUT): length 27.2
  Top w0.254: 35.77,18.16 35.61,18.16 v1(34.89,18.88) ; v1(11.65,15.84) 10.9,16.59 10.9,17.06
  Bottom w0.254: v1(34.89,18.88) 16.34,18.88 13.3,15.84 v1(11.65,15.84)
Net-(D905-DOUT): length 27.2
  Top w0.254: 62.44,98.17 62.28,98.17 v1(61.56,98.9) ; v1(38.32,95.85) 37.56,96.6 37.56,97.08
  Bottom w0.254: v1(61.56,98.9) 57.49,98.9 55.33,96.74 44.92,96.74 44.03,95.85 v1(38.32,95.85)
Net-(D906-DOUT): length 27.2
  Top w0.254: 62.44,71.5 62.28,71.5 v1(61.56,72.22) ; v1(38.32,69.18) 37.56,69.93 37.56,70.41
  Bottom w0.254: v1(38.32,69.18) 39.97,69.18 43.02,72.22 v1(61.56,72.22)
Net-(D907-DOUT): length 38.9
  Top w0.254: v1(38.32,42.51) 37.56,43.26 37.56,43.73 ; v1(61.56,45.56) 62.28,44.83 62.44,44.83
  Bottom w0.254: v1(61.56,45.56) 60.56,45.56 59.5,44.5 59.5,40 53.24,33.74 47.26,33.74 42.5,38.5 42.5,40.75 41.75,41.5 38.57,41.5 38.32,41.75 v1(38.32,42.51)
Net-(D908-DOUT): length 27.2
  Top w0.254: 37.56,17.06 37.56,16.59 v1(38.32,15.84) ; 62.44,18.16 62.28,18.16 v1(61.56,18.88)
  Bottom w0.254: v1(61.56,18.88) 43.02,18.88 39.97,15.84 v1(38.32,15.84)
Net-(D909-DOUT): length 28.7
  Top w0.254: v1(64.99,95.85) 64.23,96.6 D909.1 ; v1(85,98.01) 85.76,98.77 88.1,98.77 88.69,98.17 D913.3
  Bottom w0.254: v1(85,98.01) 85,97.19 82.26,94.45 72.35,94.45 70.95,95.85 v1(64.99,95.85)
Net-(D910-DOUT): length 27.2
  Top w0.254: D914.3 88.95,71.5 v1(88.23,72.22) ; v1(64.99,69.18) 64.23,69.93 D910.1
  Bottom w0.254: v1(88.23,72.22) 69.69,72.22 66.64,69.18 v1(64.99,69.18)
Net-(D911-DOUT): length 27.9
  Top w0.254: D915.3 88.95,44.83 v1(88.23,45.56) ; v1(64.99,42.51) 64.23,43.26 D911.1
  Bottom w0.254: v1(64.99,42.51) 66.64,42.51 69.69,45.56 79.69,45.56 80.5,44.75 83,44.75 83.81,45.56 v1(88.23,45.56)
Net-(D912-DOUT): length 27.2
  Top w0.254: v1(64.99,15.84) 64.23,16.59 D912.1 ; 89.1,18.16 88.95,18.16 v1(88.23,18.88)
  Bottom w0.254: v1(88.23,18.88) 69.69,18.88 66.64,15.84 v1(64.99,15.84)
Net-(J601-SHIELD-PadS2): length 1.5
  Bottom w0.254: R601.1 45.68,94.31 J601.S2
Net-(J701-In): length 2.1
  Top w0.254: J701.1 54.75,44.5 L701.1 55.75,45.27 C739.1
Net-(JP801-B): length 5.8
  Top w0.254: 55.5,76 JP801.2 ; JP801.2 55.33,75 55.24,75.09 U801.3 ; JP801.2 R801.1
Net-(R1001-Pad1): length 15
  Top w0.152: 18.64,39.77 18.64,35.66
  Top w0.254: 18.64,39.77 17.25,41.16 13,41.16 12.49,41.67 UI1001.5 ; R1002.2 18.12,35.14 R1001.1 18.48,35.14 18.64,35.3 18.64,35.66
Net-(R1003-Pad2): length 16.7
  Top w0.254: R1005.2 17.11,37.17 R1003.2 16.98,37.17 15.5,38.66 13.25,38.66 10.75,36.16 10.75,30.91 UI1001.3
Net-(R1004-Pad2): length 18.9
  Top w0.254: UI1001.1 9.25,30.92 9.25,36.91 12.25,39.91 16.4,39.91 R1004.2 17.11,39.2 R1006.2
Net-(R1007-Pad1): length 14.5
  Top w0.254: 92.54,43.67 92.54,40.91 90.54,38.91 84.31,38.91 83.59,38.19 R1008.2 R1007.1
Net-(R1009-Pad2): length 13.5
  Top w0.254: UI1002.3 87.26,34.41 84.64,34.41 R1009.2 R1011.2
Net-(R1010-Pad2): length 9.2
  Top w0.254: UI1002.1 87.5,31.75 86.09,33.16 84.34,33.16 83.38,34.12 82.89,34.12 R1012.2
Net-(R1013-Pad1): length 14.5
  Top w0.254: R1013.1 29.55,64.86 R1014.2 30.25,64.86 30.97,65.58 37.2,65.58 39.2,67.58 39.2,70.33
Net-(R1015-Pad2): length 13.5
  Top w0.254: UI1003.3 33.92,61.08 31.3,61.08 R1015.2 29.55,62.83 R1017.2
Net-(R1016-Pad2): length 9.2
  Top w0.254: UI1003.1 34.17,58.42 32.75,59.83 31,59.83 30.04,60.79 R1016.2 29.55,60.8 R1018.2
Net-(R1019-Pad1): length 15
  Top w0.152: 18.64,13.1 18.64,8.99
  Top w0.254: 18.64,8.99 18.64,8.63 18.48,8.47 R1019.1 R1020.2 ; UI1004.5 12.49,15 13,14.49 17.25,14.49 18.64,13.1
Net-(R1021-Pad2): length 16.7
  Top w0.254: UI1004.3 10.75,4.24 10.75,9.49 13.25,11.99 15.5,11.99 16.98,10.5 R1021.2 18.12,10.5
Net-(R1022-Pad2): length 18.9
  Top w0.254: R1024.2 18.12,12.54 R1022.2 16.4,13.24 12.25,13.24 9.25,10.24 9.25,4.25 UI1004.1
Net-(R1025-Pad1): length 15
  Top w0.152: 18.64,93.11 18.64,89
  Top w0.254: 18.64,93.11 17.25,94.5 13,94.5 12.49,95 UI1005.5 ; 18.64,89 18.64,88.64 18.48,88.48 R1025.1 18.12,88.48 R1026.2
Net-(R1027-Pad2): length 16.7
  Top w0.254: UI1005.3 10.75,84.25 10.75,89.5 13.25,92 15.5,92 16.98,90.52 R1027.2 17.11,90.51 R1029.2
Net-(R1028-Pad2): length 18.9
  Top w0.254: UI1005.1 9.25,84.26 9.25,90.25 12.25,93.25 16.4,93.25 R1028.2 17.11,92.55 R1030.2
Net-(R1031-Pad1): length 15
  Top w0.152: 71.98,66.44 71.98,62.33
  Top w0.254: UI1006.5 65.83,68.33 66.34,67.83 70.59,67.83 71.98,66.44 ; 71.98,62.33 71.98,61.97 71.82,61.81 R1031.1 R1032.2
Net-(R1033-Pad2): length 16.7
  Top w0.254: R1035.2 R1033.2 70.33,63.84 68.84,65.33 66.59,65.33 64.09,62.83 64.09,57.58 UI1006.3
Net-(R1034-Pad2): length 18.9
  Top w0.254: R1036.2 70.45,65.88 69.74,66.58 65.59,66.58 62.59,63.58 62.59,57.59 UI1006.1
Net-(R1037-Pad1): length 14.5
  Top w0.254: 92.54,97 92.54,94.25 90.54,92.25 84.31,92.25 83.59,91.53 R1038.2 R1037.1
Net-(R1039-Pad2): length 13.5
  Top w0.254: UI1007.3 87.26,87.75 84.64,87.75 R1039.2 R1041.2
Net-(R1040-Pad2): length 9.2
  Top w0.254: R1042.2 R1040.2 83.38,87.46 84.34,86.5 86.09,86.5 87.5,85.08 UI1007.1
Net-(R1043-Pad1): length 14.5
  Top w0.254: R1043.1 R1044.2 30.25,91.53 30.97,92.25 37.2,92.25 39.2,94.25 39.2,97
Net-(R1045-Pad2): length 13.5
  Top w0.254: R1047.2 R1045.2 31.3,87.75 33.92,87.75 UI1008.3
Net-(R1046-Pad2): length 9.2
  Top w0.254: R1048.2 R1046.2 30.04,87.46 31,86.5 32.75,86.5 34.17,85.08 UI1008.1
Net-(R1049-Pad1): length 14.5
  Top w0.254: R1049.1 82.89,64.86 R1050.2 83.59,64.86 84.31,65.58 90.54,65.58 92.54,67.58 92.54,70.33
Net-(R1051-Pad2): length 13.5
  Top w0.254: UI1009.3 87.26,61.08 84.64,61.08 R1051.2 82.89,62.83 R1053.2
Net-(R1052-Pad2): length 9.2
  Top w0.254: UI1009.1 87.5,58.42 86.09,59.83 84.34,59.83 83.38,60.79 R1052.2 82.89,60.8 R1054.2
Net-(R1055-Pad1): length 15
  Top w0.152: 71.98,13.1 71.98,8.99
  Top w0.254: R1056.2 R1055.1 71.82,8.47 71.98,8.63 71.98,8.99 ; 71.98,13.1 70.59,14.49 66.34,14.49 65.83,15 UI1010.5
Net-(R1057-Pad2): length 16.7
  Top w0.254: UI1010.3 64.09,4.24 64.09,9.49 66.59,11.99 68.84,11.99 70.33,10.5 R1057.2 R1059.2
Net-(R1058-Pad2): length 18.9
  Top w0.254: UI1010.1 62.59,4.25 62.59,10.24 65.59,13.24 69.74,13.24 R1058.2 R1060.2
Net-(R1061-Pad1): length 14.5
  Top w0.254: R1061.1 29.55,11.52 R1062.2 30.25,11.52 30.97,12.24 37.2,12.24 39.2,14.24 39.2,17
Net-(R1063-Pad2): length 13.5
  Top w0.254: UI1011.3 33.92,7.74 31.3,7.74 R1063.2 29.55,9.49 R1065.2
Net-(R1064-Pad2): length 9.2
  Top w0.254: R1066.2 29.55,7.46 R1064.2 30.04,7.45 31,6.49 32.75,6.49 34.17,5.07 UI1011.1
Net-(R1067-Pad1): length 15
  Top w0.152: 71.98,39.77 71.98,35.66
  Top w0.254: UI1012.5 65.83,41.67 66.34,41.16 70.59,41.16 71.98,39.77 ; 71.98,35.66 71.98,35.3 71.82,35.14 R1067.1 71.46,35.14 R1068.2
Net-(R1069-Pad2): length 16.7
  Top w0.254: UI1012.3 64.09,30.91 64.09,36.16 66.59,38.66 68.84,38.66 70.33,37.17 R1069.2 70.45,37.17 R1071.2
Net-(R1070-Pad2): length 18.9
  Top w0.254: UI1012.1 62.59,30.92 62.59,36.91 65.59,39.91 69.74,39.91 R1070.2 70.45,39.2 R1072.2
Net-(R1073-Pad1): length 14.5
  Top w0.254: R1073.1 82.89,11.52 R1074.2 83.59,11.52 84.31,12.24 90.54,12.24 92.54,14.24 92.54,17
Net-(R1075-Pad2): length 13.5
  Top w0.254: UI1013.3 87.26,7.74 84.64,7.74 R1075.2 82.89,9.49 R1077.2
Net-(R1076-Pad2): length 9.2
  Top w0.254: R1078.2 82.89,7.46 R1076.2 83.38,7.45 84.34,6.49 86.09,6.49 87.5,5.07 UI1013.1
Net-(R1079-Pad1): length 15
  Top w0.152: 71.98,93.11 71.98,89
  Top w0.254: 71.98,89 71.98,88.64 71.82,88.48 R1079.1 71.46,88.48 R1080.2 ; UI1014.5 65.83,95 66.34,94.5 70.59,94.5 71.98,93.11
Net-(R1081-Pad2): length 16.7
  Top w0.254: UI1014.3 64.09,84.25 64.09,89.5 66.59,92 68.84,92 70.33,90.52 R1081.2 70.45,90.51 R1083.2
Net-(R1082-Pad2): length 18.9
  Top w0.254: UI1014.1 62.59,84.26 62.59,90.25 65.59,93.25 69.74,93.25 R1082.2 70.45,92.55 R1084.2
Net-(R1085-Pad1): length 15
  Top w0.152: 18.64,66.44 18.64,62.33
  Top w0.254: 18.64,66.44 17.25,67.83 13,67.83 12.49,68.33 UI1015.5 ; R1086.2 R1085.1 18.48,61.81 18.64,61.97 18.64,62.33
Net-(R1087-Pad2): length 16.7
  Top w0.254: R1089.2 R1087.2 16.98,63.84 15.5,65.33 13.25,65.33 10.75,62.83 10.75,57.58 UI1015.3
Net-(R1088-Pad2): length 18.9
  Top w0.254: UI1015.1 9.25,57.59 9.25,63.58 12.25,66.58 16.4,66.58 17.11,65.88 R1090.2
Net-(R1091-Pad1): length 14.5
  Top w0.254: 39.2,43.67 39.2,40.91 37.2,38.91 30.97,38.91 30.25,38.19 R1092.2 R1091.1
Net-(R1093-Pad2): length 13.5
  Top w0.254: R1095.2 R1093.2 31.3,34.41 33.92,34.41 UI1016.3
Net-(R1094-Pad2): length 9.2
  Top w0.254: R1096.2 29.55,34.12 30.04,34.12 31,33.16 32.75,33.16 34.17,31.75 UI1016.1
Net-(SW701-A): length 2.4
  Top w0.254: R736.1 51.7,6.29 SW701.1
Net-(U703-GPIO12): length 1.9
  Bottom w0.254: U703.15 47.4,53.84 46.5,54.74 TP701.1
Net-(U703-GPIO13): length 3.6
  Bottom w0.254: TP702.1 47.25,55.75 47.25,54.5 47.8,53.95 U703.16
Net-(U703-GPIO14): length 1.6
  Bottom w0.254: U703.17 48.2,54.8 TP703.1
Net-(U703-GPIO15): length 3.4
  Bottom w0.254: TP704.1 48,56.24 48.75,55.49 48.75,54.62 48.6,54.47 U703.18
Net-(U704-GPIO43): length 10.2
  Top w0.152: R501.2 47.25,38.25 48,39 48,42.25 48.41,42.66 48.91,42.66 49.5,43.25 49.5,45.5 49.8,45.8 U704.49
Net-(U704-XTAL_N): length 9
  Top w0.254: 50,38.9 50.65,38.9 51.25,39.5 51.25,41.25 50.83,41.67 C750.1 51,42.17 51,45.75 51.02,45.75 51.4,46.13 U704.53
Net-(U704-XTAL_P): length 6.5
  Top w0.254: Y701.1 52.35,40.9 51.62,41.63 C748.1 51.46,42.16 51.46,45.7 51.8,46.03 U704.54
Net-(U1001-Q): length 36.8
  Top w0.254: U1002.10 20.03,66.51 19.39,67.14 19.39,69.36 15.5,73.25 15.5,80 20,84.5 22.14,84.5 23.25,85.61 23.25,93.26 22.06,94.45 U1001.9
Net-(U1002-Q): length 33.5
  Top w0.254: U1003.10 19.78,39.84 19.27,40.35 19.27,41.62 19.9,42.25 22.06,42.25 22.69,42.89 22.69,67.4 22.31,67.78 U1002.9
Net-(U1003-Q): length 39.5
  Top w0.254: U1003.9 22.19,41.11 22.69,40.6 22.69,31.69 22.25,31.25 20,31.25 15.5,26.75 15.5,20 20,15.5 22.25,15.5 22.5,15.25 22.5,13.48 22.19,13.17 U1004.10
Net-(U1004-Q): length 166.6
  Top w0.254: v1(78.25,30.75) 76.75,30.75 76.42,31.08 76.42,68.67 77,69.25 79.75,69.25 84,73.5 84,79.75 79.75,84 76.75,84 76.5,84.25 76.5,92.5 75.82,93.18 U1005.10 ; 18.5,30.5 15,27 15,19.75 20.31,14.44 U1004.9
  Bottom w0.254: v1(18.54,30.46) 18.58,30.5 23.62,30.5 32.06,22.06 41.81,22.06 46.5,26.75 53.56,26.75 58.25,22.06 69.56,22.06 v1(78.25,30.75)
Net-(U1005-Q): length 45.3
  Top w0.254: U1005.9 73.24,94.45 72.77,93.97 72.77,93.09 73.32,92.53 75.42,92.53 75.91,92.05 75.91,83.84 76.25,83.5 79.5,83.5 83.5,79.5 83.5,73.75 79.5,69.75 74.19,69.75 72.73,68.29 72.73,67.14 73.37,66.51 U1006.10
Net-(U1006-Q): length 33.4
  Top w0.254: 74.19,39.84 73.12,39.84 72.61,40.35 72.61,41.62 73.24,42.25 75.4,42.25 75.91,42.76 75.91,67.53 75.65,67.78 U1006.9
Net-(U1007-Q): length 40.7
  Top w0.254: U1008.10 75.53,13.17 76,13.64 76,16 76.5,16.5 79.5,16.5 83.5,20.5 83.5,26.25 79.5,30.25 76.5,30.25 75.91,30.84 75.91,40.73 75.53,41.11 74.19,41.11

## Copper pours and planes (outline as drawn; the poured copper is in the pictures)
+3V3 on Bottom: 52.75,41.5 53.5,40.75 53.5,37.75 52.75,37 48.5,37 48,37.5 48,42.25 48.5,42.75 51.25,42.75 51.75,43.25 52.75,43.25
+3V3 on In2.Cu: 0,100 6,100 7,104 9,104 10,100 100,100 100,0 0,0
+5V on Top: 0,100 1,104 3,104 4,100 100,100 100,0 0,0
+5V on Bottom: 0,100 9,100 10,104 12,104 13,100 100,100 100,0 0,0
GND on Top: 57.25,47.75 57.25,42.25 56.25,41.25 53.5,41.25 52.75,42 52.75,48.5 56.5,48.5
GND on In1.Cu: 0,100 3,100 4,104 6,104 7,100 100,100 100,0 0,0

## Text on the board
B.Silkscreen: R_TX / R_RX / GND / E_TX / E_RX | G 3V 5V DN DP
User.Comments: Default Routing Grid: 0,2500 mm / Analog Routing Grid: 0,1270 mm / LED Routing Grid: 0,6350 mm
F.Silkscreen: GND | BOOT 0 | RESET | ND | Intech Studio / ${PROJECTNAME} / ${HASH} / ${DATE}
